# Altium PCB PCB_v2.PcbDoc (part 2 of 2)
Units mm, origin at the board's own origin, x right, y up, seen from the top; angles counter-clockwise.
Board outline 260 x 100 mm, 2 copper layers (Top Layer, Bottom Layer); 227 components, 161 nets, 717 pads, 403 vias.
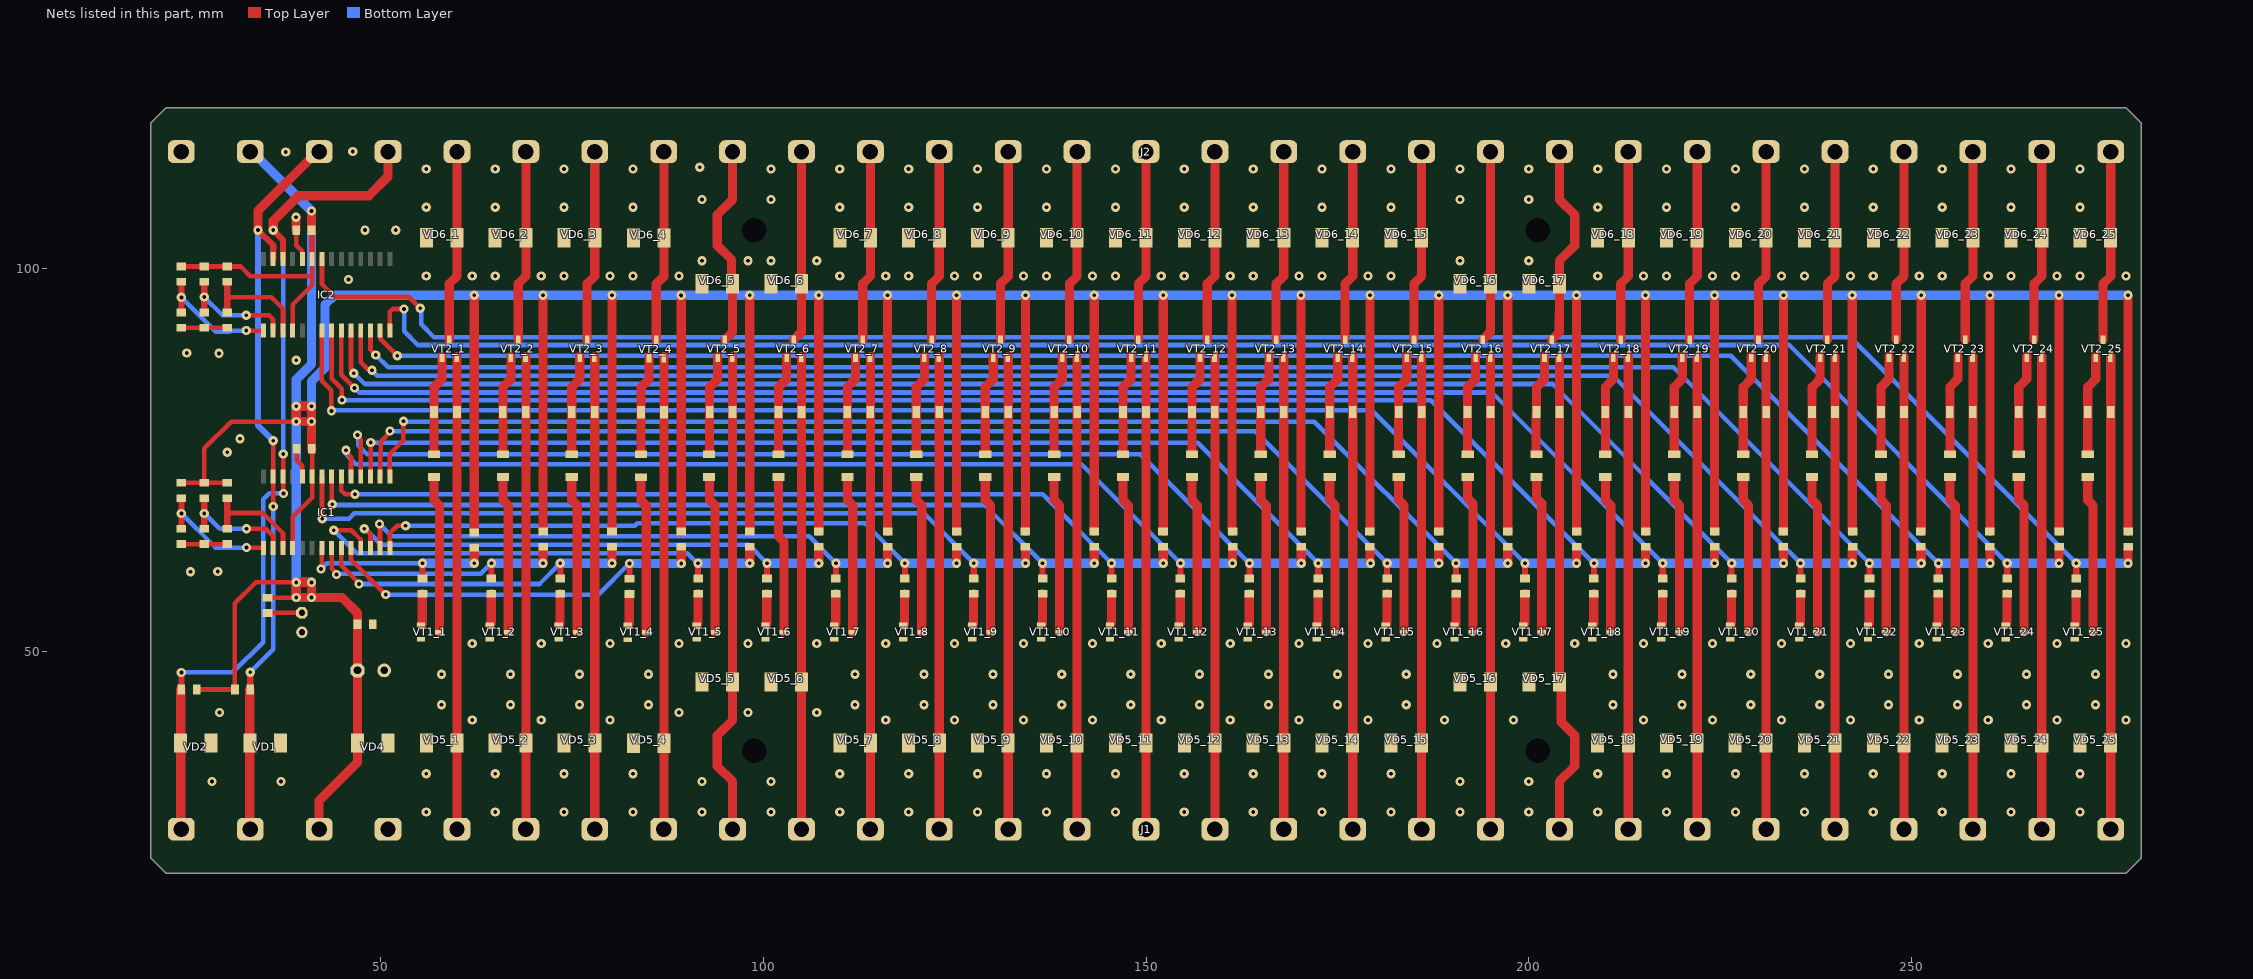
[diagram p2: the nets of this part, all layers, seen from the top]

## Via types
v1: diameter 1.2, hole 0.5, Top Layer to Bottom Layer, tented both sides, 403 vias

## Nets (pads, with @x,y where several pads share a name; then routed paths per layer and width w, separated by ;. In a path a pad name is that pad's centre, name@x,y a point inside that pad or via, vN(x,y) a via of type N, cw(c..) or ccw(c..) an arc to the next point about the centre after c; other vN are vias at no path point)
5V: C1.2 C2.2 C3.1 C4.2 IC1.9 IC1.18 IC2.9 IC2.18 J1.3 J2.28 R1.1 R2.1 R3.1 R4.1 R6.1 R8.1 R10.1 R12.1 R14.1 R19_1.2 R19_2.2 R19_3.2 R19_4.2 R19_5.2 R19_6.2 R19_7.2 R19_8.2 R19_9.2 R19_10.2 R19_11.2 R19_12.2 R19_13.2 R19_14.2 R19_15.2 R19_16.2 R19_17.2 R19_18.2 R19_19.2 R19_20.2 R19_21.2 R19_22.2 R19_23.2 R19_24.2 R19_25.2 VD4.2 | length 1254.9
  Top Layer w0.6: R4.1@24,72 R8.1@27,72 27,76.5 30.5,80 v1(39,80) ; R6.1@24,100.25 R10.1@27,100.25 R14.1@30,100.25 31.75,100.25 33,99 41.082,99 ; R2.1@26,45 R1.1@31,45 31,56.25 33.75,59 v1(39,59) ; R8.1@27.125,72 R12.1@30,72 ; R3.1@35.25,57 v1(39,57) ; IC1.18@38.542,63.472 38.542,67.542 41.082,70.082 IC1.9@41.082,72.822 C1.2@41.082,76.427 ; IC2.18@38.542,91.884 38.542,95.292 41.082,97.832 41.082,99 ; IC2.9@41.082,101.234 41.082,99
  Top Layer w0.8: IC2.9@41.082,101.234 C2.2@41.081,104.942
  Top Layer w1.2: C2.2@41,105.023 v1(41,107.5) ; C1.2@41.054,76.456 41.025,76.456 41,76.481 v1(41,80) ; J1.3@42,26.75 42,30.5 47,35.5 VD4.2@47,38 C3.1@47,47.5 C4.2@47,53.5 47,55 45,57 v1(41,57) ; R19_1.2@62.25,65.64 v1(62.25,96.5) ; R19_2.2@71.25,65.64 v1(71.25,96.5) ; R19_3.2@80.25,65.64 v1(80.25,96.5) ; R19_4.2@89.285,65.615 v1(89.285,96.475) ; v1(98.25,96.5) 98.25,65.644 R19_5.2@98.254,65.64 ; R19_6.2@107.236,65.64 107.25,65.654 v1(107.25,96.5) ; R19_7.2@116.25,65.64 v1(116.25,96.5) ; R19_8.2@125.25,65.64 v1(125.25,96.5) ; R19_9.2@134.25,65.64 v1(134.25,96.5) ; R19_10.2@143.25,65.64 v1(143.25,96.5) ; R19_11.2@152.25,65.64 v1(152.25,96.5) ; R19_12.2@161.25,65.64 v1(161.25,96.5) ; R19_13.2@170.25,65.64 v1(170.25,96.5) ; R19_14.2@179.25,65.64 v1(179.25,96.5) ; R19_15.2@188.25,65.64 v1(188.25,96.5) ; R19_16.2@197.243,65.64 197.243,96.493 v1(197.25,96.5) ; R19_17.2@206.249,65.64 v1(206.25,96.5) ; R19_18.2@215.25,65.64 v1(215.25,96.5) ; R19_19.2@224.25,65.64 v1(224.25,96.5) ; R19_20.2@233.25,65.64 v1(233.25,96.5) ; R19_21.2@242.25,65.64 v1(242.25,96.5) ; R19_22.2@251.25,65.64 v1(251.25,96.5) ; R19_23.2@260.25,65.64 v1(260.25,96.5) ; R19_24.2@269.25,65.64 v1(269.25,96.5) ; R19_25.2@278.25,65.64 v1(278.25,96.5) ; v1(41,57) v1(41,59) v1(39,59) v1(39,57) v1(41,57) ; v1(41,80) v1(41,82) v1(39,82) v1(39,80) v1(41,80)
  Bottom Layer w1.2: J2.28@33,115.25 33.25,115.25 v1(41,107.5) 41,87.5 39,85.5 v1(39,82) ; 39,58 v1(39,59) ; v1(278.25,96.5) v1(260.25,96.5) v1(251.25,96.5) v1(242.25,96.5) v1(215.25,96.5) v1(206.25,96.5) v1(188.25,96.5) v1(179.25,96.5) v1(170.25,96.5) v1(143.25,96.5) v1(134.25,96.5) v1(125.25,96.5) v1(116.25,96.5) v1(107.25,96.5) v1(98.25,96.5) v1(71.25,96.5) v1(62.25,96.5) 44,96.5 42.75,95.25 42.75,87 41,85.25 v1(41,82) ; v1(39,59) v1(39,80) ; v1(39,59) v1(41,59) v1(41,57) v1(39,57) v1(39,59) ; v1(39,80) v1(39,82) ; v1(39,80) v1(41,80) v1(41,82) ; v1(39,82) v1(41,82)
  other v1: 89.25,96.5 116.25,96.5 125.25,96.5 152.25,96.5 161.25,96.5 170.25,96.5 179.25,96.5 188.25,96.5 224.25,96.5 233.25,96.5 260.25,96.5 269.25,96.5
24V_IN_0: J1.5 R17_1.1 VD5_1.2 VT2_1.2 | length 61.8
  Top Layer w1.2: J1.5@60,26.75 VD5_1.2@60,38 60,79 VT2_1.2@60,88.5
24V_IN_1: J1.6 R17_2.1 VD5_2.2 VT2_2.2 | length 61.8
  Top Layer w1.2: J1.6@69,26.75 VD5_2.2@69,38 69,79 VT2_2.2@69,88.5
24V_IN_2: J1.7 R17_3.1 VD5_3.2 VT2_3.2 | length 61.8
  Top Layer w1.2: J1.7@78,26.75 VD5_3.2@78,38 78,79 VT2_3.2@78,88.5
24V_IN_3: J1.8 R17_4.1 VD5_4.2 VT2_4.2 | length 61.8
  Top Layer w1.2: VD5_4.2@87.035,37.975 87.035,78.975 VT2_4.2@87.035,88.475 ; J1.8@87.035,26.725 VD5_4.2@87.035,37.975
24V_IN_4: J1.9 R17_5.1 VD5_5.2 VT2_5.2 | length 62.4
  Top Layer w1.2: J1.9@96,26.75 96,33 94,35 94,39 96,41 VD5_5.2@96,46 ; VD5_5.2@96,47 96,79 VT2_5.2@96,88.5
24V_IN_5: J1.10 R17_6.1 VD5_6.2 VT2_6.2 | length 61.8
  Top Layer w1.2: J1.10@105,26.75 105,38 105,79 VT2_6.2@105,88.5
24V_IN_6: J1.11 R17_7.1 VD5_7.2 VT2_7.2 | length 61.8
  Top Layer w1.2: J1.11@114,26.75 VD5_7.2@114,38 114,79 VT2_7.2@114,88.5
24V_IN_7: J1.12 R17_8.1 VD5_8.2 VT2_8.2 | length 61.8
  Top Layer w1.2: J1.12@123,26.75 VD5_8.2@123,38 123,79 VT2_8.2@123,88.5
24V_IN_8: J1.13 R17_9.1 VD5_9.2 VT2_9.2 | length 61.8
  Top Layer w1.2: J1.13@132,26.75 VD5_9.2@132,38 132,79 VT2_9.2@132,88.5
24V_IN_9: J1.14 R17_10.1 VD5_10.2 VT2_10.2 | length 61.8
  Top Layer w1.2: J1.14@141,26.75 VD5_10.2@141,38 141,79 VT2_10.2@141,88.5
24V_IN_10: J1.15 R17_11.1 VD5_11.2 VT2_11.2 | length 61.8
  Top Layer w1.2: J1.15@150,26.75 VD5_11.2@150,38 150,79 VT2_11.2@150,88.5
24V_IN_11: J1.16 R17_12.1 VD5_12.2 VT2_12.2 | length 61.8
  Top Layer w1.2: J1.16@159,26.75 VD5_12.2@159,38 159,79 VT2_12.2@159,88.5
24V_IN_12: J1.17 R17_13.1 VD5_13.2 VT2_13.2 | length 61.8
  Top Layer w1.2: J1.17@168,26.75 VD5_13.2@168,38 168,79 VT2_13.2@168,88.5
24V_IN_13: J1.18 R17_14.1 VD5_14.2 VT2_14.2 | length 61.8
  Top Layer w1.2: J1.18@177,26.75 VD5_14.2@177,38 177,79 VT2_14.2@177,88.5
24V_IN_14: J1.19 R17_15.1 VD5_15.2 VT2_15.2 | length 61.8
  Top Layer w1.2: J1.19@186,26.75 VD5_15.2@186,38 186,79 VT2_15.2@186,88.5
24V_IN_15: J1.20 R17_16.1 VD5_16.2 VT2_16.2 | length 61.8
  Top Layer w1.2: J1.20@195,26.75 195,38 195,79 VT2_16.2@195,88.5
24V_IN_16: J1.21 R17_17.1 VD5_17.2 VT2_17.2 | length 63.4
  Top Layer w1.2: J1.21@204,26.75 204,33 206,35 206,39 204.25,40.75 204.25,45.75 VD5_17.2@204,46 204,79 VT2_17.2@204,88.5
24V_IN_17: J1.22 R17_18.1 VD5_18.2 VT2_18.2 | length 61.8
  Top Layer w1.2: J1.22@213,26.75 VD5_18.2@213,38 213,79 VT2_18.2@213,88.5
24V_IN_18: J1.23 R17_19.1 VD5_19.2 VT2_19.2 | length 61.8
  Top Layer w1.2: J1.23@222,26.75 222,35.75 222,38 222,79 R17_19.1@222,81.25 VT2_19.2@222,88.5
24V_IN_19: J1.24 R17_20.1 VD5_20.2 VT2_20.2 | length 61.8
  Top Layer w1.2: J1.24@231,26.75 231,38 231,40 231,79 R17_20.1@231,81.25 VT2_20.2@231,88.5
24V_IN_20: J1.25 R17_21.1 VD5_21.2 VT2_21.2 | length 61.8
  Top Layer w1.2: J1.25@240,26.75 VD5_21.2@240,38 240,79 VT2_21.2@240,88.5
24V_IN_21: J1.26 R17_22.1 VD5_22.2 VT2_22.2 | length 61.8
  Top Layer w1.2: J1.26@249,26.75 VD5_22.2@249,38 249,79 VT2_22.2@249,88.5
24V_IN_22: J1.27 R17_23.1 VD5_23.2 VT2_23.2 | length 61.8
  Top Layer w1.2: J1.27@258,26.75 VD5_23.2@258,38 258,79 VT2_23.2@258,88.5
24V_IN_23: J1.28 R17_24.1 VD5_24.2 VT2_24.2 | length 61.8
  Top Layer w1.2: J1.28@267,26.75 VD5_24.2@267,38 267,79 VT2_24.2@267,88.5
24V_IN_24: J1.29 R17_25.1 VD5_25.2 VT2_25.2 | length 61.8
  Top Layer w1.2: J1.29@276,26.75 VD5_25.2@276,38 276,79 VT2_25.2@276,88.5
24V_OUT_0: J2.25 VD6_1.2 VT2_1.3 | length 25
  Top Layer w1.2: VT2_1.3@59,90.7 59,98 60,99 J2.25@60,115.25
24V_OUT_1: J2.24 VD6_2.2 VT2_2.3 | length 25
  Top Layer w1.2: VT2_2.3@68,90.7 68,98 69,99 J2.24@69,115.25
24V_OUT_2: J2.23 VD6_3.2 VT2_3.3 | length 25
  Top Layer w1.2: VT2_3.3@77,90.7 77,98 78,99 J2.23@78,115.25
24V_OUT_3: J2.22 VD6_4.2 VT2_4.3 | length 25
  Top Layer w1.2: VT2_4.3@86.035,90.675 86.035,97.975 87.035,98.975 J2.22@87.035,115.225
24V_OUT_4: J2.21 VD6_5.2 VT2_5.3 | length 26.6
  Top Layer w1.2: VT2_5.3@95,90.7 96,91.7 VD6_5.2@96,98 95.877,98.123 95.877,101.123 94,103 94,107 96,109 J2.21@96,115.25
24V_OUT_5: J2.20 VD6_6.2 VT2_6.3 | length 25
  Top Layer w1.2: VT2_6.3@104,90.7 105,91.7 105,104 J2.20@105,115.25
24V_OUT_6: J2.19 VD6_7.2 VT2_7.3 | length 25
  Top Layer w1.2: VT2_7.3@113,90.7 113,98 114,99 J2.19@114,115.25
24V_OUT_7: J2.18 VD6_8.2 VT2_8.3 | length 25
  Top Layer w1.2: VT2_8.3@122,90.7 122,98 123,99 J2.18@123,115.25
24V_OUT_8: J2.17 VD6_9.2 VT2_9.3 | length 25
  Top Layer w1.2: VT2_9.3@131,90.7 131,98 132,99 J2.17@132,115.25
24V_OUT_9: J2.16 VD6_10.2 VT2_10.3 | length 25
  Top Layer w1.2: VT2_10.3@140,90.7 140,98 141,99 J2.16@141,115.25
24V_OUT_10: J2.15 VD6_11.2 VT2_11.3 | length 25
  Top Layer w1.2: VT2_11.3@149,90.7 149,98 150,99 J2.15@150,115.25
24V_OUT_11: J2.14 VD6_12.2 VT2_12.3 | length 25
  Top Layer w1.2: VT2_12.3@158,90.7 158,98 159,99 J2.14@159,115.25
24V_OUT_12: J2.13 VD6_13.2 VT2_13.3 | length 25
  Top Layer w1.2: VT2_13.3@167,90.7 167,98 168,99 J2.13@168,115.25
24V_OUT_13: J2.12 VD6_14.2 VT2_14.3 | length 25
  Top Layer w1.2: VT2_14.3@176,90.7 176,98 177,99 J2.12@177,115.25
24V_OUT_14: J2.11 VD6_15.2 VT2_15.3 | length 25
  Top Layer w1.2: VT2_15.3@185,90.7 185,98 186,99 J2.11@186,115.25
24V_OUT_15: J2.10 VD6_16.2 VT2_16.3 | length 25
  Top Layer w1.2: VT2_16.3@194,90.7 195,91.7 195,104 J2.10@195,115.25
24V_OUT_16: J2.9 VD6_17.2 VT2_17.3 | length 27
  Top Layer w1.2: VT2_17.3@203,90.7 203.979,91.679 203.979,93.979 204,94 VD6_17.2@204,98.4 ; VD6_17.2@204,98 204,101 206,103 206,107 204,109 J2.9@204,115.25
24V_OUT_17: J2.8 VD6_18.2 VT2_18.3 | length 25
  Top Layer w1.2: VT2_18.3@212,90.7 212,98 213,99 J2.8@213,115.25
24V_OUT_18: J2.7 VD6_19.2 VT2_19.3 | length 25
  Top Layer w1.2: VT2_19.3@221,90.7 221,98 222,99 J2.7@222,115.25
24V_OUT_19: J2.6 VD6_20.2 VT2_20.3 | length 25
  Top Layer w1.2: VT2_20.3@230,90.7 230,98 231,99 J2.6@231,115.25
24V_OUT_20: J2.5 VD6_21.2 VT2_21.3 | length 25
  Top Layer w1.2: VT2_21.3@239,90.7 239,98 240,99 J2.5@240,115.25
24V_OUT_21: J2.4 VD6_22.2 VT2_22.3 | length 25
  Top Layer w1.2: VT2_22.3@248,90.7 248,98 249,99 J2.4@249,115.25
24V_OUT_22: J2.3 VD6_23.2 VT2_23.3 | length 25
  Top Layer w1.2: VT2_23.3@257,90.7 257,98 258,99 J2.3@258,115.25
24V_OUT_23: J2.2 VD6_24.2 VT2_24.3 | length 25
  Top Layer w1.2: VT2_24.3@266,90.7 266,98 267,99 J2.2@267,115.25
24V_OUT_24: J2.1 VD6_25.2 VT2_25.3 | length 25
  Top Layer w1.2: VT2_25.3@275,90.7 275,98 276,99 J2.1@276,115.25
A0_1: IC1.15 R4.2 R5.1 | length 16.6
  Top Layer w0.6: v1(32.494,63.544) 34.707,63.544 34.732,63.519 IC1.15@34.732,63.472
  Top Layer w0.8: R5.1@24,66 v1(24,68) R4.2@24,70
  Bottom Layer w0.6: v1(24,68) 28.456,63.544 v1(32.494,63.544)
A0_2: IC2.15 R6.2 R7.1 | length 16.6
  Top Layer w0.6: v1(32.477,91.886) 34.73,91.886 IC2.15@34.732,91.884
  Top Layer w0.8: R7.1@24,94.25 v1(24,96.225) R6.2@24,98.2
  Bottom Layer w0.6: v1(24,96.225) 28.475,91.75 30.327,91.75 30.463,91.886 v1(32.477,91.886)
A1_1: IC1.16 R8.2 R9.1 | length 15.8
  Top Layer w0.6: v1(32.5,66) 35,66 36.002,64.998 IC1.16@36.002,63.472
  Top Layer w0.8: R9.1@27,66 v1(27,68) R8.2@27,70
  Bottom Layer w0.6: v1(27,68) 29,66 v1(32.5,66)
A1_2: IC2.16 R10.2 R11.1 | length 15.7
  Top Layer w0.6: v1(32.485,93.88) 35.444,93.88 35.977,93.347 35.977,91.909 IC2.16@36.002,91.884
  Top Layer w0.8: R11.1@27,94.25 v1(27,96.25) R10.2@27,98.25
  Bottom Layer w0.6: v1(27,96.25) 29.37,93.88 v1(32.485,93.88)
A2_1: IC1.17 R12.2 R13.1 | length 14.3
  Top Layer w0.6: 30,68.059 34.616,68.059 37.272,65.402 IC1.17@37.272,63.472
  Top Layer w0.8: R13.1@30,66 30,68.059 R12.2@30,70
A2_2: IC2.17 R14.2 R15.1 | length 15
  Top Layer w0.6: 30,96.225 35.775,96.225 ; 36,96 35.775,96.225 ; IC2.17@37.272,91.884 37.272,94.728 35.775,96.225
  Top Layer w0.8: R15.1@30,94.25 30,96.225 R14.2@30,98.2
GND: C1.1 C2.1 C3.2 C4.1 IC1.10 IC2.10 J1.4 J2.29 R5.2 R7.2 R9.2 R11.2 R13.2 R15.2 VD1.1 VD2.1 VD3.2 VD4.1 VD5_1.1 VD5_2.1 VD5_3.1 VD5_4.1 VD5_5.1 VD5_6.1 VD5_7.1 VD5_8.1 VD5_9.1 VD5_10.1 VD5_11.1 VD5_12.1 VD5_13.1 VD5_14.1 VD5_15.1 VD5_16.1 VD5_17.1 VD5_18.1 VD5_19.1 VD5_20.1 VD5_21.1 VD5_22.1 VD5_23.1 VD5_24.1 VD5_25.1 VD6_1.1 VD6_2.1 VD6_3.1 VD6_4.1 VD6_5.1 VD6_6.1 VD6_7.1 VD6_8.1 VD6_9.1 VD6_10.1 VD6_11.1 VD6_12.1 VD6_13.1 VD6_14.1 VD6_15.1 VD6_16.1 VD6_17.1 VD6_18.1 VD6_19.1 VD6_20.1 VD6_21.1 VD6_22.1 VD6_23.1 VD6_24.1 VD6_25.1 VT1_1.2 VT1_2.2 VT1_3.2 VT1_4.2 VT1_5.2 VT1_6.2 VT1_7.2 VT1_8.2 VT1_9.2 VT1_10.2 VT1_11.2 VT1_12.2 VT1_13.2 VT1_14.2 VT1_15.2 VT1_16.2 VT1_17.2 VT1_18.2 VT1_19.2 VT1_20.2 VT1_21.2 VT1_22.2 VT1_23.2 VT1_24.2 VT1_25.2 | length 21.7
  Top Layer w0.6: R5.2@24,64 R13.2@30,64 ; R7.2@24,92.25 R15.2@30,92.25 ; C2.1@39,105 39,103.016 39.787,102.229 39.787,101.259 IC2.10@39.812,101.234 ; C1.1@39.054,76.456 39.054,74.946 39.787,74.213 39.787,72.847 IC1.10@39.812,72.822
  Top Layer w1.2: C2.1@38.977,105.025 v1(38.977,106.679)
  other v1: 56,29 65,29 74,29 83,29 92,29 101,29 110,29 119,29 128,29 137,29 146,29 155,29 164,29 173,29 182,29 191,29 200,29 209,29 218,29 227,29 236,29 245,29 254,29 263,29 272,29 28,33 37,33 92,33 101,33 191,33 200,33 56,34 65,34 74,34 83,34 110,34 119,34 128,34 137,34 146,34 155,34 164,34 173,34 182,34 209,34 218,34 227,34 236,34 245,34 254,34 263,34 272,34 62,41 71,41 80,41 116,41 125,41 134,41 143,41 152,41 161,41 170,41 179,41 189,41 198,41 215,41 224,41 233,41 242,41 251,41 260,41 269,41 278,41 29,42 89,42 98,42 107,42 58,43 67,43 76,43 85,43 112,43 121,43 130,43 139,43 148,43 157,43 166,43 175,43 184,43 211,43 220,43 229,43 238,43 247,43 256,43 265,43 274,43 58,47 67,47 76,47 85,47 112,47 121,47 130,47 139,47 148,47 157,47 166,47 175,47 184,47 211,47 220,47 229,47 238,47 247,47 256,47 265,47 274,47 62,51 71,51 80,51 89,51 98,51 107,51 116,51 125,51 134,51 143,51 152,51 161,51 170,51 179,51 188,51 197,51 206,51 215,51 224,51 233,51 242,51 251,51 260,51 269,51 278,51 25.179,60.384 28.753,60.418 30,76 31.675,77.75 39,88 28.902,88.91 24.71,88.944 45.851,98.538 56,99 62,99 65,99 71,99 74,99 80,99 83,99 89,99 110,99 116,99 119,99 125,99 128,99 134,99 137,99 143,99 146,99 152,99 155,99 161,99 164,99 170,99 173,99 179,99 182,99 209,99 215,99 218,99 224,99 227,99 233,99 236,99 242,99 245,99 251,99 254,99 260,99 263,99 269,99 272,99 278,99 92,101 98,101 101,101 107,101 191,101 200,101 48,105 52,105 56,108 65,108 74,108 83,108 110,108 119,108 128,108 137,108 146,108 155,108 164,108 173,108 182,108 209,108 218,108 227,108 236,108 245,108 254,108 263,108 272,108 92,109 101,109 191,109 200,109 56,113 65,113 74,113 83,113 101,113 110,113 119,113 128,113 137,113 146,113 155,113 164,113 173,113 182,113 191,113 200,113 209,113 218,113 227,113 236,113 245,113 254,113 263,113 272,113 91.72,113.21 37.63,115.206 46.395,115.283
NetR3_2: R3.2 VD3.1 | length 4.5
  Top Layer w0.6: R3.2@35.25,55 35.26,55.01 39.74,55.01 VD3.1@39.75,55.02
NetR16_1_1: R16_1.1 R17_1.2 VT2_1.1 | length 12.9
  Top Layer w1.2: R16_1.1@57,76 57,79 57,84.5 58.05,85.55 VT2_1.1@58.05,88.3 VT2_1.1@58.05,88.5
NetR16_1_2: R16_1.2 VT1_1.3 | length 20.4
  Top Layer w1.2: R16_1.2@57,72.65 57,69.75 57.7,69.05 VT1_1.3@57.7,52.5
NetR16_2_1: R16_2.1 R17_2.2 VT2_2.1 | length 12.9
  Top Layer w1.2: R16_2.1@66,76 66,79 66,84.5 67.05,85.55 VT2_2.1@67.05,88.3 VT2_2.1@67.05,88.5
NetR16_2_2: R16_2.2 VT1_2.3 | length 20.4
  Top Layer w1.2: R16_2.2@66,72.65 66,69.75 66.7,69.05 VT1_2.3@66.7,52.5
NetR16_3_1: R16_3.1 R17_3.2 VT2_3.1 | length 12.9
  Top Layer w1.2: R16_3.1@75,76 75,79 75,84.5 76.05,85.55 VT2_3.1@76.05,88.3 VT2_3.1@76.05,88.5
NetR16_3_2: R16_3.2 VT1_3.3 | length 20.4
  Top Layer w1.2: R16_3.2@75,72.65 75,69.75 75.7,69.05 VT1_3.3@75.7,52.5
NetR16_4_1: R16_4.1 R17_4.2 VT2_4.1 | length 12.9
  Top Layer w1.2: R16_4.1@84.035,75.975 84.035,78.975 84.035,84.475 85.085,85.525 VT2_4.1@85.085,88.275 VT2_4.1@85.085,88.475
NetR16_4_2: R16_4.2 VT1_4.3 | length 20.4
  Top Layer w1.2: R16_4.2@84.035,72.625 84.035,69.725 84.735,69.025 VT1_4.3@84.735,52.475
NetR16_5_1: R16_5.1 R17_5.2 VT2_5.1 | length 13.1
  Top Layer w1.2: R16_5.1@93.047,75.85 93,75.85 R17_5.2@93,81.25 93,84.5 94.05,85.55 VT2_5.1@94.05,88.3 VT2_5.1@94.05,88.5
NetR16_5_2: R16_5.2 VT1_5.3 | length 20.4
  Top Layer w1.2: R16_5.2@93,72.65 93,69.75 93.7,69.05 VT1_5.3@93.7,52.5
NetR16_6_1: R16_6.1 R17_6.2 VT2_6.1 | length 13.1
  Top Layer w1.2: R16_6.1@102.047,75.85 102,75.85 R17_6.2@102,81.25 102,84.5 103.05,85.55 VT2_6.1@103.05,88.3 VT2_6.1@103.05,88.5
NetR16_6_2: R16_6.2 VT1_6.3 | length 20.3
  Top Layer w1.2: R16_6.2@102,72.5 102,65 102.7,64.3 VT1_6.3@102.7,52.5
NetR16_7_1: R16_7.1 R17_7.2 VT2_7.1 | length 12.9
  Top Layer w1.2: R16_7.1@111,76 111,79 111,84.5 112.05,85.55 VT2_7.1@112.05,88.3 VT2_7.1@112.05,88.5
NetR16_7_2: R16_7.2 VT1_7.3 | length 20.4
  Top Layer w1.2: R16_7.2@111,72.65 111,69.75 111.7,69.05 VT1_7.3@111.7,52.5
NetR16_8_1: R16_8.1 R17_8.2 VT2_8.1 | length 12.9
  Top Layer w1.2: R16_8.1@120,76 120,79 120,84.5 121.05,85.55 VT2_8.1@121.05,88.3 VT2_8.1@121.05,88.5
NetR16_8_2: R16_8.2 VT1_8.3 | length 20.4
  Top Layer w1.2: R16_8.2@120,72.65 120,69.75 120.7,69.05 VT1_8.3@120.7,52.5
NetR16_9_1: R16_9.1 R17_9.2 VT2_9.1 | length 12.9
  Top Layer w1.2: R16_9.1@129,76 129,79 129,84.5 130.05,85.55 VT2_9.1@130.05,88.3 VT2_9.1@130.05,88.5
NetR16_9_2: R16_9.2 VT1_9.3 | length 20.4
  Top Layer w1.2: R16_9.2@129,72.65 129,69.75 129.7,69.05 VT1_9.3@129.7,52.5
NetR16_10_1: R16_10.1 R17_10.2 VT2_10.1 | length 12.9
  Top Layer w1.2: R16_10.1@138,76 138,79 138,84.5 139.05,85.55 VT2_10.1@139.05,88.3 VT2_10.1@139.05,88.5
NetR16_10_2: R16_10.2 VT1_10.3 | length 20.4
  Top Layer w1.2: R16_10.2@138,72.65 138,69.75 138.7,69.05 VT1_10.3@138.7,52.5
NetR16_11_1: R16_11.1 R17_11.2 VT2_11.1 | length 12.9
  Top Layer w1.2: R16_11.1@147,76 147,79 147,84.5 148.05,85.55 VT2_11.1@148.05,88.3 VT2_11.1@148.05,88.5
NetR16_11_2: R16_11.2 VT1_11.3 | length 20.4
  Top Layer w1.2: R16_11.2@147,72.65 147,69.75 147.7,69.05 VT1_11.3@147.7,52.5
NetR16_12_1: R16_12.1 R17_12.2 VT2_12.1 | length 12.9
  Top Layer w1.2: R16_12.1@156,76 156,79 156,84.5 157.05,85.55 VT2_12.1@157.05,88.3 VT2_12.1@157.05,88.5
NetR16_12_2: R16_12.2 VT1_12.3 | length 20.4
  Top Layer w1.2: R16_12.2@156,72.65 156,69.75 156.7,69.05 VT1_12.3@156.7,52.5
NetR16_13_1: R16_13.1 R17_13.2 VT2_13.1 | length 12.9
  Top Layer w1.2: R16_13.1@165,76 165,79 165,84.5 166.05,85.55 VT2_13.1@166.05,88.3 VT2_13.1@166.05,88.5
NetR16_13_2: R16_13.2 VT1_13.3 | length 20.4
  Top Layer w1.2: R16_13.2@165,72.65 165,69.75 165.7,69.05 VT1_13.3@165.7,52.5
NetR16_14_1: R16_14.1 R17_14.2 VT2_14.1 | length 12.9
  Top Layer w1.2: R16_14.1@174,76 174,79 174,84.5 175.05,85.55 VT2_14.1@175.05,88.3 VT2_14.1@175.05,88.5
NetR16_14_2: R16_14.2 VT1_14.3 | length 20.4
  Top Layer w1.2: R16_14.2@174,72.65 174,69.75 174.7,69.05 VT1_14.3@174.7,52.5
NetR16_15_1: R16_15.1 R17_15.2 VT2_15.1 | length 12.9
  Top Layer w1.2: R16_15.1@183,76 183,79 183,84.5 184.05,85.55 VT2_15.1@184.05,88.3 VT2_15.1@184.05,88.5
NetR16_15_2: R16_15.2 VT1_15.3 | length 20.4
  Top Layer w1.2: R16_15.2@183,72.65 183,69.75 183.7,69.05 VT1_15.3@183.7,52.5
NetR16_16_1: R16_16.1 R17_16.2 VT2_16.1 | length 12.9
  Top Layer w1.2: R16_16.1@192,76 192,79 192,84.5 193.05,85.55 VT2_16.1@193.05,88.3 VT2_16.1@193.05,88.5
NetR16_16_2: R16_16.2 VT1_16.3 | length 20.4
  Top Layer w1.2: R16_16.2@192,72.65 192,70 192.7,69.3 VT1_16.3@192.7,52.5
NetR16_17_1: R16_17.1 R17_17.2 VT2_17.1 | length 12.9
  Top Layer w1.2: R16_17.1@200.954,75.85 R17_17.2@200.954,81.05 ; R17_17.2@201,81.25 201,84.5 202.05,85.55 VT2_17.1@202.05,88.3 VT2_17.1@202.05,88.5